# Altium PCB SolderingStation_ASCII.PcbDoc (part 2 of 3)
Units mm, origin at the board's own origin, x right, y up, seen from the top; angles counter-clockwise.
Board outline 138.15 x 60.81 mm, 2 copper layers (Top Layer, Bottom Layer), stack 1.671 mm thick; 227 components, 141 nets, 684 pads, 483 vias.
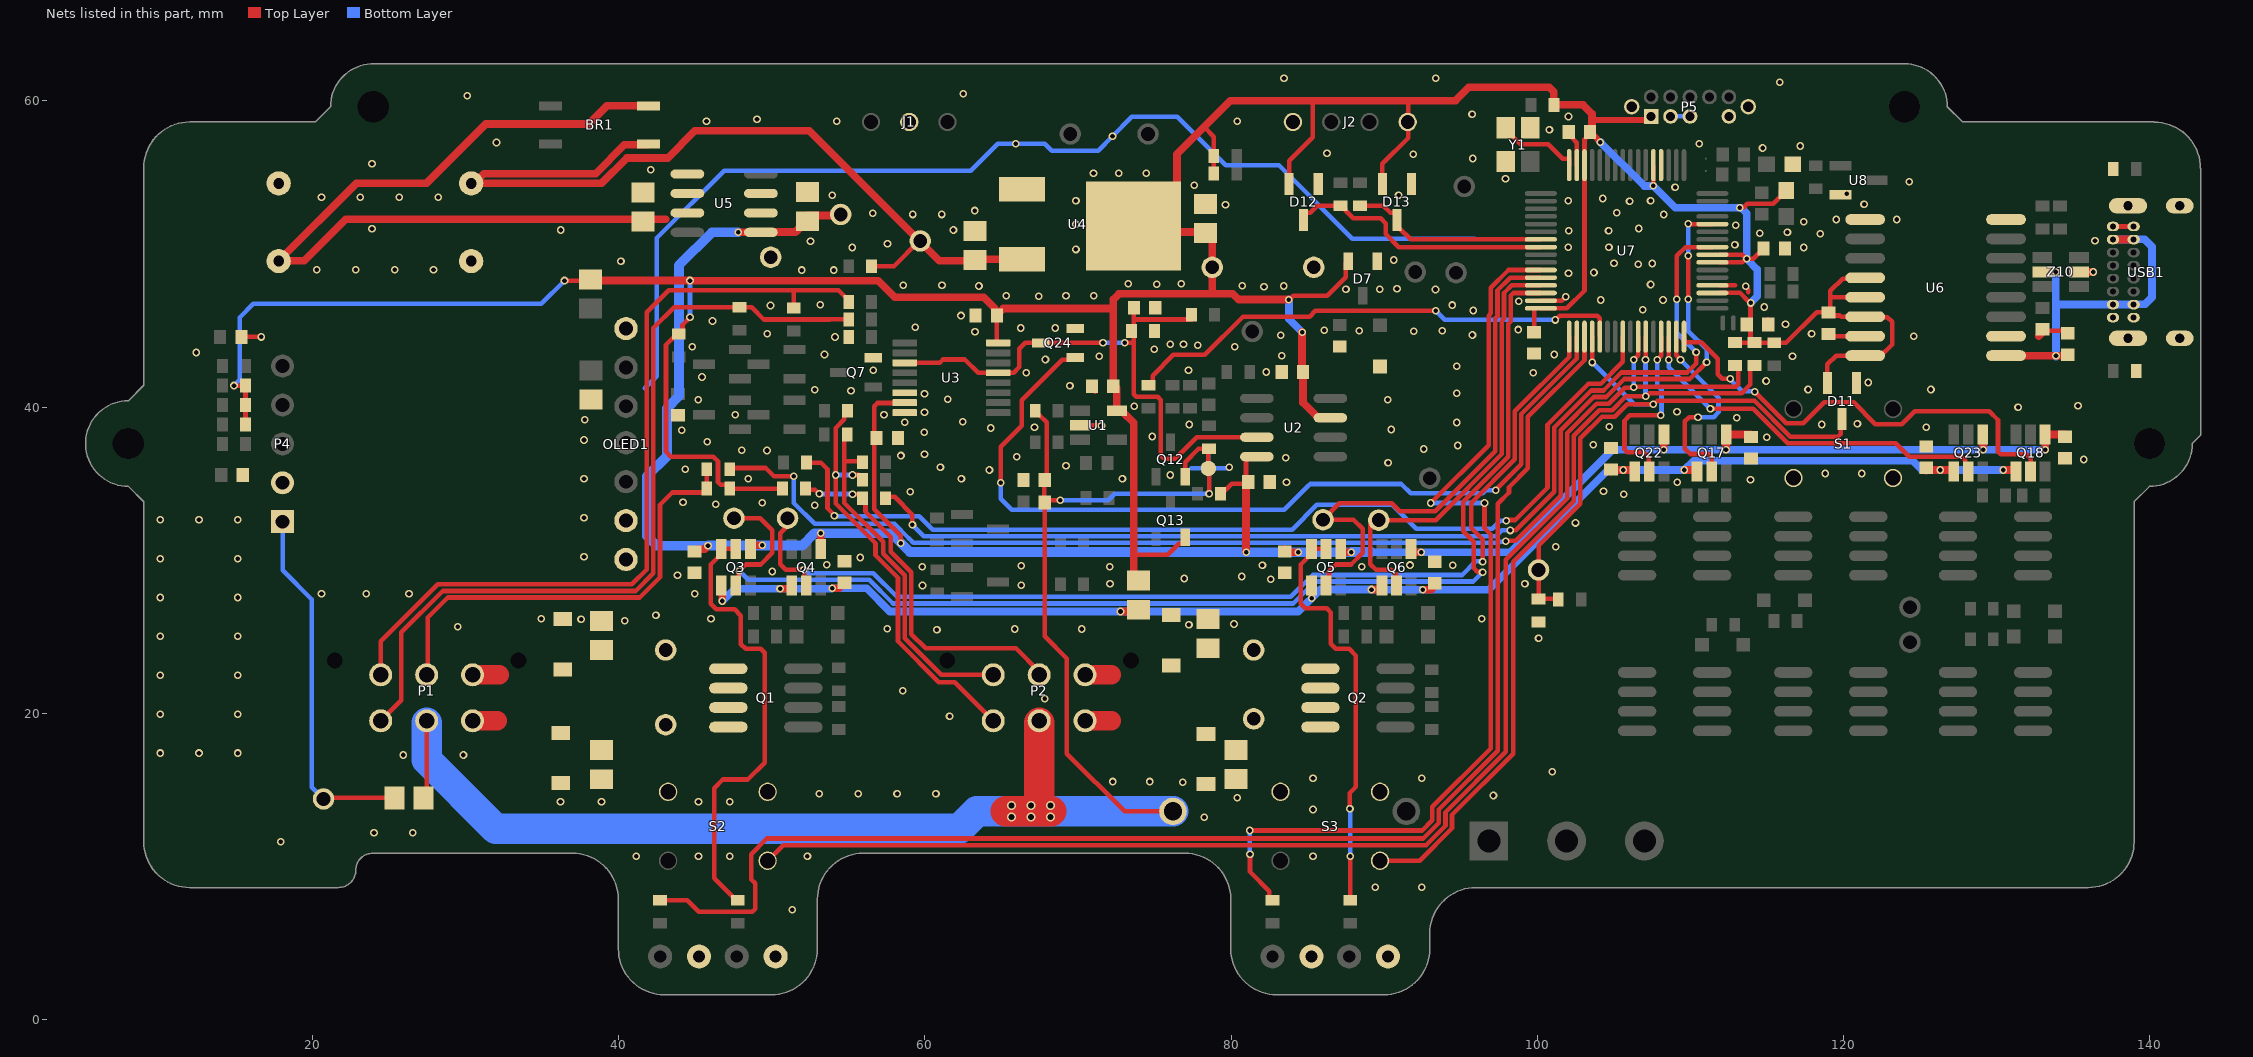
[diagram p2: the nets of this part, all layers, seen from the top]

## Part data
+3V3 +V -5V -V AC_REF AMP D1a D1b D2a D2b ER Gnd H1a H1b H2a H2b OC SCL SDA T1 T2 T3 Vp1 Vp2: library part TP, "Test Point"
BR1: "Bridge Rectifier Diode, Single Phase, 100 V, 800 mA, SOIC, 1.1 V, 4 Pins"
BR2: library part SolderBridge(Open), "Solder bridge"
C1 C2 C7 C8 C9 C11 C12 C13 C14 C15 C17 C18 C19 C20 C24 C28 C29 C30 C31 C32 C33 C37 C38 C39 C41: library part Cap_CCNP_0603_100nF, "Capacitor non-polar SMT 0603"
C3 C4 C5 C6: library part Cap_CC_0805, "Capacitor SMT 0805"
C10 C16 C42 C43: library part Cap_CCNP_0603_100pF, "Capacitor non-polar SMT 0603"
C21 C26: library part Cap_CCNP_0805_2u2F, "Capacitor non-polar SMT 0805"
C22 C25: library part Cap-RB5/10x16MM
C23 C27 C40: library part Cap_CCNP_0805_10uF, "Capacitor non-polar SMT 0805"
C34: library part Cap_CCNP_0603_2u2F, "Capacitor non-polar SMT 0603"
C35 C36: library part Cap_CCNP_0603_1nF, "Capacitor non-polar SMT 0603"
D1 D2 D3 D4: "Diodes - General Purpose, 1kV 1A 1.1V 1A SOD-123FL"
D5 D6: library part LED_3MM_GREEN, "3mm Green LED"
D7: "Diode - Dual Series low-leakage switching, SOT-23"
D10: "Switching Diode 100V 150mA 1.25V@150mA 4ns SOD-323"
D11 D12 D13: "Dual Series low-leakage switching diodes, 3-Pin SOT-23"
D14 D15: library part LED_3MM_RED, "3mm Red LED"
J1: library part JST-B3B-XH-A
J2: library part JST-B4B-XH-A
L1 L2 L3: library part "Ferrite Bead 0805 600R", "Ferrite Bead 600O @ 100MHz 1 500mA 300mO 0805"
L4 L5: library part "Ferrite Bead 0603 600R", "Ferrite Bead 600O @ 100MHz 1 200mA 450mO 0603"
OLED1: library part OLED_Display_128x64_2.4inch, "OLED Display 128x64 pixels, 2.4inch"
P1 P2: "Wire-To-Board Connector, With Polarizing Peg, 3 mm, 6 Contacts, Header, Micro-Fit 3.0 43045 Series"
P3: "MULTICOMP MC24367 Wire-To-Board Terminal Block"
P4: library part "Header 1x5"
P5: library part SWD2X5_JIG
Q1 Q2: "P-Channel dual MOSFET, 40 V, 7.6 A, 0.018 ohm, SOIC, Surface Mount"
Q3 Q4 Q5 Q6 Q17 Q18 Q22 Q23: "Pre-Biased NPN and PNP pair, 50 V, 100 mA, 22 kohm, 22 kohm"
Q7: "General Purpose Transistor, NPN Silicon, 3-Pin SOT-23, Pb-Free, Tape and Reel"
Q8 Q9 Q10 Q11: "P-Channel Enhancement Mode FET -0.13 A, -50 V,  RDS(ON) = 10R at VGS = -5 V"
Q12 Q24: "N-channel enhancement mode FET, , 30 V, 850 mA, 0.4 ohm, SOT23"
Q13: "General Purpose Transistor, PNP Silicon, 3-Pin SOT-23, Pb-Free, Tape and Reel"
Q14 Q15 Q16 Q19 Q20 Q21: "P-Channel Power MOSFET, 11 A, 40 V, RDS(ON) = 0.013 ohm @ VGS = -10   VRDS(ON) = 0.017 ohm @ VGS =   -4.5 VC"
Qa Qb: library part MMBT3904LT1G, "SOT23"
R1 R2 R3 R4 R5 R6 R7 R8 R42 R43 R46 R47 R69 R70: library part Res_CR0603_4k7, "Resistor SMT 0603"
R9 R10 R59 R62: library part Res_CR0603_470R, "Resistor SMT 0603"
R11 R12 R13 R14 R15 R16 R18 R20 R26 R28 R35 R50 R54 R57 R63 R64 R65 R71: library part Res_CR0603_10k, "Resistor SMT 0603"
R17 R21 R30 R31 R32 R33 R39: library part Res_CR0603_22k, "Resistor SMT 0603"
R19: "Current Sense Resistor, 0.05 ohm, OAR Series, 3 W, Metal Strip, Radial Leaded, 1%"
R23 R29: library part Res_CR0603_0R, "Resistor SMT 0603"
R24: library part Res_CR0603_10R, "Resistor SMT 0603"
R27 R34 R36 R37 R38: library part Res_CR0603_3k3, "Resistor SMT 0603"
R40 R41 R44 R45: library part Res_CR0603_39k, "Resistor SMT 0603"
R48: library part Res_CR0603_15k, "Resistor SMT 0603"
R49: library part Res_CR0603_4k3, "Resistor SMT 0603"
R51 R53 R60 R61 R66 R67: library part Res_CR0603_33R, "Resistor SMT 0603"
R52 R56 R68: library part Res_CR0603_1k, "Resistor SMT 0603"
R55 R58: library part Res_CR0603_5k1, "Resistor SMT 0603"
R72: library part Res_CR0603_1M, "Resistor SMT 0603"
Ra Rb Rc Rd: library part Res_CR0603, "Resistor SMT 0603"
S1 S2 S3: "Switch miniature push-button"
SC1 SC2 SC3: library part "Switch-Cap - B32-2010", "Switch Cap"
SP1 SP2 SP3 SP4: library part Spacer-6mm
U1: "Op-Amp, Single supply R-R in/out"
U2: "Op-Amp 14MHz, MUX-friendly, low-noise, Zero-Drift, RRO, CMOS precision"
U3: "Analog Multiplexer / Demultiplexer, 4:1, 2 Circuits, 225 ohm, 2V to 10V, TSSOP-16"
U4: "IC REG LINEAR +3V3 1A TO252-3"
U5: "IC REG LINEAR -5V 100MA SOIC-8"
U6: "Full/Low Speed 5 kV USB Digital Isolator"
U7: "Arm Cortex M4 / Applies to MK20DX64VLH7, MK20DX128VLH7, MK20DX256VLH7"
U8: library part LM4040BIM3-2.5/NOPB, "IC 2.5V VREF SHUNT 0.2% SOT23-3"
USB1: "USB-C, USB 2.0 Receptacle Connector 16 Position Through Hole, Right Angle"
Y1: library part "Crystal 16MHz", "Crystal SMD 3.2 x 2.5 x 0.7 mm"
Z1 Z2 Z3 Z4 Z6 Z7 Z8 Z9: "Surface Mount Zener Diode, 12-13 V, -65 to 150 degC, SOD-123"
Z10: "Ultra low capacitance quadruple rail-to-rail ESD protection"

## Free pads (board coordinates)
  oval 0.3x1 smd: Com(112.116,45.491) Com(112.801,45.491)

## Via types
v1: diameter 0.5, hole 0.3, Top Layer to Bottom Layer, tented both sides, 440 vias
v2: diameter 0.6, hole 0.4, Top Layer to Bottom Layer, tented both sides, 30 vias
v3: diameter 0.8, hole 0.5, Top Layer to Bottom Layer, tented both sides, 12 vias
v4: diameter 0.75, hole 0.3, Top Layer to Bottom Layer, tented both sides, 1 vias

## Nets (pads, with @x,y where several pads share a name; then routed paths per layer and width w, separated by ;. In a path a pad name is that pad's centre, name@x,y a point inside that pad or via, vN(x,y) a via of type N, cw(c..) or ccw(c..) an arc to the next point about the centre after c; other vN are vias at no path point)
5V_USB: C30.2 U6.1 USB1.A4 USB1.A9 USB1.B4 USB1.B9 Z10.5 | length 24.4
  Top Layer w0.3: Z10.5@132.974,48.822 v1(133.863,48.822)
  Top Layer w0.508: U6.1@130.508,43.361 130.525,43.344 C30.2@134.499,43.344 ; C30.2@134.464,43.308 C30.2@134.499,43.344 ; C30.2@134.517,43.361 C30.2@134.499,43.344 ; C30.2@134.525,43.344 C30.2@134.499,43.344 ; USB1.A9@137.596,50.942 USB1.B4@138.945,50.942
  Bottom Layer w0.508: v1(133.863,48.822) 133.863,46.517 ; v1@133.87,43.308 133.87,46.51 133.863,46.517 ; USB1.A9@137.596,50.942 USB1.B4@138.945,50.942 ; USB1.B9@138.945,46.692 USB1.A4@137.596,46.692 134.038,46.692 133.863,46.517 ; USB1.B9@138.967,46.714 139.685,46.714 140.143,47.171 140.143,50.473 139.652,50.964 USB1.B4@138.967,50.964
  other v1: 133.87,43.343
+3V3: +3V3.1 C11.1 C12.1 C18.1 C23.2 C32.2 C33.2 C34.2 C38.2 C41.2 D7.2 D11.2 D12.2 D13.2 J2.1 L1.1 L3.1 L4.2 P5.1 Q13.2 R11.2 R12.2 R24.1 R50.2 R54.2 R57.2 R63.2 R64.2 R65.2 R69.2 R70.2 R71.2 U1.5 U2.7 U3.16 U4.4 U6.12 U6.13 U6.14 U6.16 U7.3 U7.7 U7.8 U7.21 U7.30 U7.48 | length 278.9
  Top Layer w0.3: v1(14.871,41.403) R65.2@15.621,41.403 R64.2@15.621,40.133 R63.2@15.621,38.863 ; v1(36.461,48.261) L3.1@37.77,48.261 ; v1@44.642,45.861 44.642,45.837 44.163,45.358 44.163,44.968 43.963,44.768 R24.1@43.917,44.768 43.717,44.568 43.598,44.568 43.089,44.059 43.089,37.072 43.407,36.754 46.177,36.754 46.482,36.449 46.482,35.099 46.658,34.923 47.044,34.923 47.244,34.723 R11.2@47.244,34.672 R12.2@50.697,34.672 ; U3.16@64.684,44.186 C18.1@64.684,45.907 ; 73.621,33.02 73.635,33.02 ; 73.635,30.378 73.66,30.353 75.862,30.353 76.573,31.064 76.848,31.064 76.998,31.214 Q13.2@76.998,31.489 ; 73.635,31.75 73.721,31.664 ; 78.232,58.293 78.865,57.66 R70.2@78.865,56.389 R69.2@78.865,55.246 ; v1(83.769,47.015) 83.791,47.015 84.045,47.269 86.284,47.269 87.495,48.481 87.495,49.448 D7.2@87.655,49.608 ; D12.2@83.783,54.569 83.783,56.085 85.33,57.632 85.33,59.998 ; D13.2@89.879,54.519 D13.2@89.879,54.569 89.879,55.883 91.579,57.583 91.579,59.998 ; 92.781,59.981 92.798,59.998 ; C38.2@99.771,45.041 99.803,45.073 U7.48@99.803,46.449 ; U7.48@100.227,46.449 101.927,46.449 103.077,47.599 U7.30@103.077,55.799 103.077,57.482 103.193,57.598 103.193,57.708 C41.2@103.443,57.958 ; v1(107.577,54.445) U7.21@107.577,55.799 ; U7.7@111.866,49.452 113.389,49.452 113.619,49.682 v1@113.659,49.682 ; U7.8@111.866,49.952 113.389,49.952 v1@113.659,49.682 ; U7.3@111.916,47.452 113.23,47.452 113.783,46.899 113.883,46.8 v1(113.937,46.8) 113.919,46.782 113.919,45.633 C33.2@113.676,45.39 113.919,45.147 R57.2@113.919,44.209 ; R54.2@113.208,44.209 R57.2@113.919,44.209 ; v1(113.208,53.01) 113.246,53.048 113.5,53.048 113.718,53.266 115.394,53.266 115.867,53.739 115.906,53.739 L4.2@115.906,54.122 ; C34.2@114.767,50.346 114.767,50.296 114.517,50.046 114.467,50.046 114.103,49.682 v1(113.665,49.682) v1@113.659,49.682 ; R50.2@115.468,44.205 116.239,44.205 118.236,46.202 118.895,46.202 C32.2@119.011,46.317 ; R50.2@115.573,44.209 R57.2@114.172,44.209 R57.2@113.919,44.209 ; D11.2@118.938,41.561 118.938,42.786 119.513,43.361 U6.16@121.408,43.361 122.439,43.361 123.165,44.087 123.165,45.569 122.861,45.873 121.436,45.873 U6.14@121.408,45.901 119.834,45.901 119.757,45.978 119.35,45.978 C32.2@119.011,46.317 ; U6.12@120.808,48.441 120.75,48.384 119.936,48.384 119.138,47.586 119.138,47.245 ; U6.13@121.408,47.171 119.212,47.171 119.138,47.245 ; C32.2@119.011,46.317 119.138,46.444 119.138,47.245
  Top Layer w0.4: C41.2@103.564,57.937 103.564,57.787 103.643,57.708 103.714,57.708 104.115,57.307 v1(104.115,57.302) ; 103.683,58.75 107.195,58.75 P5.1@107.427,58.982
  Top Layer w0.5: L3.1@37.77,48.346 37.856,48.26 v1(44.653,48.26) 44.661,48.252 56.955,48.252 58.039,47.168 63.83,47.168 64.558,46.44 64.558,46.174 64.578,46.154 C18.1@64.844,46.154 ; C18.1@64.666,45.975 C18.1@64.844,46.154 ; 72.288,46.431 65.121,46.431 C18.1@64.844,46.154 ; 72.298,45.995 72.298,41.506 72.535,41.269 U1.5@72.535,39.763 72.635,39.663 72.935,39.663 73.635,38.963 73.635,33.02 73.635,31.75 73.635,30.378 L1.1@73.635,28.651 ; 77.851,57.912 78.232,58.293 79.937,59.998 85.33,59.998 91.579,59.998 92.798,59.998 94.649,59.998 95.529,60.879 100.777,60.879 101.069,60.586 101.069,59.747 R71.2@101.08,59.736 102.976,59.736 103.564,59.149 C41.2@103.564,57.937
  Top Layer w0.508: 72.298,45.995 72.298,46.431 72.298,47.015 72.679,47.396 78.765,47.396 ; U4.4@73.629,51.817 73.808,51.817 76.454,54.463 76.454,56.515 77.851,57.912 ; U4.4@74.01,51.436 78.183,51.436 78.244,51.375 78.368,51.375 78.765,50.978 +3V3.1@78.765,49.124 78.765,47.396 ; v1(83.769,47.015) 80.489,47.015 80.108,47.396 78.765,47.396 ; v1(84.633,44.894) 84.633,42.16 84.698,42.095 84.698,40.279 85.65,39.327 86.45,39.327 U2.7@86.48,39.297
  Bottom Layer w0.3: v1(14.871,41.403) 15.252,41.784 15.252,45.848 16.141,46.737 34.937,46.737 v1(36.461,48.261) ; v1(44.653,45.872) v1(44.653,48.26)
  Bottom Layer w0.5: v1(113.208,53.01) 113.31,53.01 113.665,52.655 v1(113.665,49.682) 114.368,48.979 114.368,47.231 v1(113.937,46.8)
  Bottom Layer w0.508: v1(83.769,47.015) 83.769,45.757 v1(84.633,44.894) ; v1(104.115,57.302) 106.972,54.445 v1(107.577,54.445) 109.012,53.01 v1(113.208,53.01)
+3V3_I: C1.1 C2.1 C20.1 C28.1 L1.2 Q3.3 Q4.3 Q5.3 Q6.3 Q17.3 Q18.3 Q22.3 Q23.3 | length 100.4
  Top Layer w0.4: C1.1@54.387,28.162 C1.1@54.661,28.436 ; Q5.3@85.25,28.34 85.253,28.337 v1(85.253,27.52)
  Top Layer w0.5: v1@46.761,27.33 v1(46.763,27.332) Q3.3@46.763,28.34 ; v1(50.538,28.13) 50.547,28.138 51.225,28.138 Q4.3@51.225,28.213 ; v1(53.942,28.155) 53.949,28.162 C1.1@54.387,28.162 ; v1(72.771,26.645) L1.2@73.708,26.645 ; v1(89.164,28.079) 89.775,28.079 89.85,28.154 Q6.3@89.85,28.34 ; v1(92.507,28.067) 93.05,28.067 93.28,28.297 C2.1@93.28,28.37 ; C20.1@104.8,35.777 104.914,35.89 v1(105.613,35.89) 106.278,35.89 Q22.3@106.365,35.803 ; v1(109.601,35.89) 110.342,35.89 Q17.3@110.429,35.803 ; C28.1@125.4,35.853 125.437,35.89 v1(126.314,35.89) 127.106,35.89 Q23.3@127.193,35.803 ; v1(130.429,35.89) 131.17,35.89 Q18.3@131.257,35.803
  Bottom Layer w0.5: v1(46.763,27.332) 47.574,28.143 50.524,28.143 v1(50.538,28.13) 53.916,28.13 v1(53.942,28.155) 56.186,28.155 57.696,26.645 v1(72.771,26.645) 84.377,26.645 85.811,28.079 v1(89.164,28.079) 89.176,28.067 v1(92.507,28.067) 96.809,28.067 104.632,35.89 v1(105.613,35.89) v1(109.601,35.89) 110.211,36.5 124.504,36.5 125.113,35.89 v1(126.314,35.89) v1(130.429,35.89)
+9V: +V.1 BR1.1 C21.2 C22.1 R18.1 U4.3 | length 57.2
  Top Layer w0.3: R18.1@56.63,49.2 57.98,49.2 59.631,50.851 +V.1@59.69,50.851
  Top Layer w0.5: C22.1@30.365,54.611 C22.1@30.56,54.611 ; BR1.1@41.947,57.171 41.902,57.127 40.373,57.127 38.493,55.246 31.195,55.246 C22.1@30.56,54.611 ; U4.3@66.349,49.659 63.32,49.659 C21.2@63.258,49.597 63.258,49.555 60.926,49.555 59.631,50.851 52.441,58.04 44.97,58.04 43.192,56.262 40.525,56.262 38.874,54.611 C22.1@30.56,54.611
-5V: -5V.1 C7.1 C8.1 C13.1 C19.1 C24.1 C27.2 C29.1 Q3.6 Q4.6 Q5.6 Q6.6 Q17.6 Q18.6 Q22.6 Q23.6 R39.1 U2.4 U3.7 U5.1 | length 157.9
  Top Layer w0.3: U3.7@58.379,40.262 56.899,40.262 56.693,40.056 56.693,37.974 56.693,33.325 58.42,31.598 v1(58.42,31.115) ; U3.7@58.76,40.262 U3.7@58.784,40.286 ; R39.1@79.287,34.138 79.461,34.312 79.461,34.412 80.045,34.996 80.859,34.996 80.969,35.106 U2.4@80.969,36.74 ; C8.1@83.679,30.39 C8.1@83.802,30.514
  Top Layer w0.5: C7.1@45.15,30.531 45.15,30.72 45.603,30.72 v1(45.832,30.949) ; Q3.6@48.663,30.74 48.663,30.888 48.738,30.963 v1(49.378,30.963) ; v1(53.198,31.762) 53.2,31.76 Q4.6@53.2,30.74 ; C8.1@83.5,30.72 83.703,30.517 v1(84.389,30.517) ; Q5.6@87.15,30.74 87.15,30.592 87.225,30.517 v1(87.843,30.517) ; Q6.6@91.825,30.505 v1(92.405,30.505) ; v1(108.255,37.211) 108.255,38.193 Q22.6@108.265,38.203 ; v1(112.319,37.211) 112.319,38.193 Q17.6@112.329,38.203 113.929,38.203 C24.1@113.944,38.188 ; Q23.6@129.093,38.203 129.108,38.188 v1(129.108,37.211) ; v1(133.172,37.211) 133.172,38.188 Q18.6@133.157,38.203 133.162,38.208 134.462,38.208 C29.1@134.468,38.213
  Top Layer w0.508: v1(47.814,51.411) U5.1@49.287,51.411 49.305,51.429 51.542,51.429 51.84,51.726 51.84,51.741 52.236,52.137 C27.2@52.336,52.137 ; C27.2@52.336,52.518 -5V.1@54.622,52.518 ; C13.1@80.969,35.106 80.969,30.532 v1(80.975,30.526)
  Bottom Layer w0.5: 89.154,30.526 98.222,30.526 104.907,37.211 v1(108.255,37.211) v1(112.319,37.211) v1(129.108,37.211) v1(133.172,37.211)
  Bottom Layer w0.635: v1(47.814,51.411) 46.087,51.411 43.942,49.266 43.942,40.716 43.147,39.921 43.147,36.787 41.843,35.483 41.843,31.576 42.47,30.949 v1(45.832,30.949) 45.845,30.963 51.994,30.963 52.793,31.762 57.773,31.762 59.009,30.526 v1(80.975,30.526) 80.984,30.517 v1(84.389,30.517) v1(87.843,30.517) 87.852,30.526 89.154,30.526
-9V: -V.1 BR1.2 C25.2 C26.2 U5.2 U5.3 U5.6 U5.7 | length 54.8
  Top Layer w0.5: C25.2@17.792,49.531 C25.2@17.807,49.547 ; BR1.2@41.947,59.671 39.235,59.671 38.048,58.485 31.317,58.485 27.444,54.611 22.872,54.611 C25.2@17.807,49.547 ; 43.078,52.273 22.184,52.273 19.458,49.547 C25.2@17.807,49.547
AC_REF: AC_REF.1 D11.3 R48.2 R49.2 U7.52 | length 39.9
  Top Layer w0.3: R48.2@101.497,27.466 R49.2@100.076,27.466 AC_REF.1@100.076,29.358 100.076,30.95 102.798,33.672 102.798,37.954 104.218,39.373 105.063,39.373 105.867,40.178 107.611,40.178 107.845,40.411 114.179,40.411 116.52,38.07 119.634,38.07 119.801,38.237 119.801,38.844 119.801,39.124 D11.3@119.888,39.211 ; U7.52@103.577,44.599 103.577,42.925 v1(103.59,42.913)
  Bottom Layer w0.3: v1(103.59,42.913) 106.324,40.178 v1(107.569,40.178)
BIAS_En: R20.2 U7.56 | length 66.5
  Top Layer w0.3: R20.2@52.261,36.373 53.213,36.373 53.637,35.949 53.637,33.4 v1@54.088,32.949 ; v1(97.968,32.583) 98.006,32.622 98.565,32.622 100.663,34.72 100.663,38.838 103.334,41.508 104.138,41.508 105.577,42.947 U7.56@105.577,44.599
  Bottom Layer w0.3: v1@54.101,32.907 54.133,32.875 59.627,32.875 60.509,31.993 83.977,31.993 85.6,33.616 90.514,33.616 92.08,32.05 97.053,32.05 97.582,32.579 97.963,32.579 v1(97.968,32.583)
  other v1: 54.088,32.894
CH1_ACT: Q5.4 Q5.5 R10.2 | length 27.3
  Top Layer w0.3: Q5.5@86.122,30.599 Q5.5@86.263,30.74 ; Q5.5@86.122,30.74 85.313,30.74 85.138,30.565 85.138,30.306 84.549,29.718 84.549,27.153 84.848,26.854 86.23,26.854 86.504,26.58 86.504,24.537 86.835,24.206 87.704,24.206 88.15,23.761 88.15,15.188 87.757,14.795 v1(87.757,13.767) ; v1(87.769,10.669) 87.781,10.657 R10.2@87.781,7.789
  Bottom Layer w0.3: v1(87.757,13.767) 87.769,13.755 v1(87.769,10.669)
CH1_BTN: R57.1 S3.2 U7.59 | length 52.4
  Top Layer w0.3: S3.2@89.726,10.367 92.308,10.367 94.423,12.482 94.423,13.363 98.425,17.365 98.425,29.902 102.371,33.848 102.371,38.13 104.041,39.8 104.886,39.8 105.79,40.705 v1(107.08,40.705) 107.134,40.705 107.323,40.894 113.335,40.894 113.915,41.474 R57.1@113.915,42.545 ; v1(107.061,43.099) 107.077,43.115 U7.59@107.077,44.599
  Bottom Layer w0.3: v1(107.061,43.099) 107.061,40.724 v1(107.08,40.705)
CH1_ID: P2.5 R12.1 R15.1 | length 23.8
  Top Layer w0.3: R12.1@52.197,34.672 52.275,34.594 52.821,34.594 53.088,34.327 v1(53.11,34.327) ; v1(55.27,34.315) 55.704,34.315 56.117,33.902 56.117,33.164 57.766,31.515 57.766,30.538 59.106,29.199 59.106,25.171 60.041,24.236 65.947,24.236 67.461,22.722 P2.5@67.461,22.509
  Bottom Layer w0.3: v1(53.11,34.327) 53.116,34.321 55.264,34.321 v1(55.27,34.315)
CH1_ID1: R15.2 U7.9 | length 71.7
  Top Layer w0.3: R15.2@57.404,34.037 57.508,34.142 58.017,34.142 59.182,32.976 v1(59.182,32.304) ; v1(98.226,31.94) 98.249,31.964 98.593,31.964 101.09,34.461 101.09,38.661 103.51,41.081 104.315,41.081 105.49,42.256 109.774,42.256 110.363,42.845 v1(110.363,43.586) ; v1@109.093,47.058 109.093,49.869 109.673,50.449 U7.9@111.427,50.449
  Bottom Layer w0.3: v1(59.182,32.304) 59.92,31.566 97.306,31.566 97.68,31.94 v1(98.226,31.94) ; v1(109.093,47.036) 109.093,44.856 v1(110.363,43.586)
CH1_SB: D13.3 R52.1 U7.39 | length 13.2
  Top Layer w0.3: R52.1@88.316,53.152 R52.1@88.416,53.152 89.946,53.152 90.404,52.694 90.679,52.694 90.829,52.544 D13.3@90.829,52.269 ; D13.3@90.829,52.219 90.829,51.794 90.979,51.644 91.023,51.644 91.718,50.949 U7.39@100.227,50.949
CH1_SEL: R59.1 U7.43 | length 62.7
  Top Layer w0.3: v1(81.215,12.346) 92.475,12.346 93.142,13.013 93.142,13.894 96.945,17.697 96.945,31.675 96.545,32.075 v1(96.545,33.731) ; v1(81.229,10.795) 81.229,9.64 82.497,8.372 82.497,7.893 R59.1@82.601,7.789 ; v1(93.04,33.731) 96.82,37.511 96.82,45.969 96.966,46.115 96.966,47.804 98.111,48.949 U7.43@100.227,48.949
  Bottom Layer w0.3: v1(81.215,12.346) 81.215,10.809 v1(81.229,10.795) ; v1(93.04,33.731) v1(96.545,33.731)
CH1a_DRVn: D1a.1 Q5.2 U7.44 | length 35.2
  Top Layer w0.3: Q5.2@86.391,28.468 86.391,29.273 86.835,29.718 87.826,29.718 88.588,30.48 88.588,32.043 87.992,32.639 D1a.1@86.004,32.639 87.071,33.706 90.5,33.706 91.008,33.198 93.333,33.198 97.247,37.112 97.247,45.792 97.393,45.939 97.393,47.627 98.215,48.449 U7.44@100.227,48.449
CH1a_Htr+: C5.1 D3.K H1a.1 P2.4 Q2.5 Q2.6 | length 1.7
  Top Layer w1.27: P2.4@70.461,22.509 72.183,22.509
CH1a_Thm+: P2.6 R32.1 R37.2 | length 23
  Top Layer w0.3: 54.737,36.45 54.737,38.007 54.74,38.01 R32.1@54.74,38.282 ; R37.2@55.904,36.45 54.738,36.45 54.738,33.73 57.274,31.195 57.274,30.427 58.674,29.026 58.674,24.905 61.07,22.509 P2.6@64.461,22.509
CH1b_DRVn: D1b.1 Q6.2 U7.45 | length 28.5
  Top Layer w0.3: D1b.1@89.096,32.487 89.096,29.736 89.457,29.375 90.459,29.375 90.79,29.044 90.79,28.35 Q6.2@90.8,28.34 ; D1b.1@89.637,32.614 93.353,32.614 97.674,36.935 97.674,45.615 97.82,45.762 97.82,47.45 98.319,47.949 U7.45@100.227,47.949
CH1b_Htr+: C6.1 D4.K H1b.1 P2.1 Q2.7 Q2.8 | length 1.7
  Top Layer w1.27: P2.1@70.461,19.509 72.183,19.509
CH1b_Thm+: P2.3 R30.1 R38.2 | length 27.2
  Top Layer w0.3: R30.1@54.737,39.752 54.737,39.202 54.164,38.629 v1(54.164,35.56) 54.164,33.701 56.769,31.095 56.769,30.328 58.242,28.854 58.242,24.702 60.908,22.036 61.934,22.036 P2.3@64.461,19.509 ; v1(55.27,35.56) 55.704,35.56 55.904,35.36 R38.2@55.904,35.307
  Bottom Layer w0.3: v1(54.164,35.56) v1(55.27,35.56)
Ch1V12En: Q17.2 U7.63 | length 13.2
  Top Layer w0.3: U7.63@109.077,44.599 109.077,43.375 109.347,43.105 v1(109.347,43.099) ; v1(110.49,39.345) 109.906,39.345 109.626,39.065 109.626,37.287 109.982,36.932 111.176,36.932 111.379,36.728 Q17.2@111.379,35.803
  Bottom Layer w0.3: v1(109.347,43.099) 111.83,40.616 111.83,39.66 111.515,39.345 v1(110.49,39.345)
Ch1V24En: Q18.2 U7.64 | length 30.6
  Top Layer w0.3: U7.64@109.577,44.599 109.577,44.221 110.693,44.221 111.773,43.142 111.773,42.151 112.065,41.859 v1(112.605,41.859) ; v1(114.198,40.996) 116.256,38.938 117.373,38.938 118.745,40.31 120.65,40.31 122.072,38.887 123.81,38.887 124.644,39.721 129.519,39.721 130.086,39.154 130.086,37.082 130.262,36.906 131.933,36.906 132.212,36.627 132.212,35.808 Q18.2@132.207,35.803
  Bottom Layer w0.3: v1(112.605,41.859) 112.605,41.805 112.705,41.705 112.705,41.702 113.384,41.023 114.171,41.023 v1(114.198,40.996)
CH2_ACT: Q3.4 Q3.5 R9.2 | length 30.1
  Top Layer w0.3: Q3.5@47.572,30.599 Q3.5@47.713,30.74 ; Q3.5@47.572,30.74 46.763,30.74 46.588,30.565 46.588,30.306 45.999,29.718 45.999,27.153 46.371,26.781 47.568,26.781 47.973,26.377 47.973,24.519 48.285,24.206 49.276,24.206 49.542,23.941 49.542,16.776 48.438,15.672 46.787,15.672 46.228,15.113 46.228,9.237 47.676,7.789 R9.2@47.776,7.789
CH2_BTN: R54.1 S2.2 U7.58 | length 91.1
  Top Layer w0.3: S2.2@49.726,10.367 50.75,11.392 92.728,11.392 93.996,12.659 93.996,13.54 97.945,17.49 97.945,30.027 101.944,34.025 101.944,38.307 103.864,40.227 104.669,40.227 105.705,41.264 106.261,41.264 v1(106.299,41.302) ; v1@106.299,41.321 112.956,41.321 113.132,41.497 R54.1@113.132,42.545 ; v1(106.299,43.099) 106.301,43.099 106.577,43.375 U7.58@106.577,44.599
  Bottom Layer w0.3: v1(106.299,41.302) v1@106.299,43.077
CH2_ID: P1.5 R11.1 R13.1 | length 29.4
  Top Layer w0.3: P1.5@27.456,22.509 27.537,22.591 27.537,26.257 28.841,27.56 41.378,27.56 42.697,28.88 42.697,33.63 43.486,34.418 R11.1@45.744,34.418 ; R11.1@45.744,34.672 R13.1@45.744,35.942
CH2_ID2: R13.2 U7.12 | length 85.1
  Top Layer w0.3: R13.2@47.244,35.942 47.322,36.02 49.603,36.02 50.144,35.479 v1(51.435,35.479) ; v1(97.936,31.234) 97.974,31.272 98.587,31.272 101.517,34.202 101.517,38.484 103.687,40.654 104.492,40.654 105.666,41.829 109.952,41.829 v1(111.049,42.926) ; v1(109.855,47.036) v1(109.855,49.886) ; v1(109.855,51.976) 109.882,51.949 U7.12@111.427,51.949
  Bottom Layer w0.3: 51.435,35.225 51.435,33.731 52.799,32.367 58.008,32.367 58.959,31.417 58.962,31.417 59.24,31.139 97.483,31.139 97.54,31.196 97.898,31.196 v1(97.936,31.234) ; v1(109.855,47.036) 109.855,44.958 111.049,43.764 v1(111.049,42.926) ; v1(109.855,49.886) v1(109.855,51.976)
CH2_SB: D12.3 R56.1 U7.40 | length 17.6
  Top Layer w0.3: D12.3@84.733,52.269 84.733,52.544 84.883,52.694 85.158,52.694 85.616,53.152 R56.1@87.146,53.152 87.246,53.152 87.446,52.952 87.446,52.852 87.974,52.324 89.759,52.324 90.094,51.989 90.094,51.303 90.948,50.449 U7.40@100.227,50.449
CH2_SEL: R62.2 U7.51 | length 91.7
  Top Layer w0.3: R62.2@42.696,7.789 44.486,7.789 45.236,7.039 48.731,7.039 48.907,7.215 48.907,8.891 48.653,9.145 48.653,10.796 49.675,11.819 92.551,11.819 93.569,12.836 93.569,13.717 97.409,17.557 97.409,33.68 98.146,34.417 98.146,34.773 99.382,36.009 99.382,39.368 103.077,43.063 U7.51@103.077,44.599
CH2a_DRVn: D2a.1 Q3.2 U7.46 | length 80.4
  Top Layer w0.3: D2a.1@47.523,32.741 49.251,32.741 50.038,31.953 50.038,30.48 49.276,29.718 48.285,29.718 47.841,29.273 47.841,28.468 Q3.2@47.713,28.34 ; v1(96.418,29.205) 96.38,29.243 96.075,29.243 95.834,29.485 95.834,31.212 95.148,31.898 95.148,33.806 98.101,36.758 98.101,45.439 98.247,45.585 98.247,47.273 98.423,47.449 U7.46@100.227,47.449
  Bottom Layer w0.3: v1(47.879,29.312) 48.463,28.727 56.359,28.727 57.915,27.172 84.06,27.172 85.494,28.606 95.819,28.606 v1(96.418,29.205)
CH2a_Htr+: C3.1 D1.K H2a.1 P1.4 Q1.5 Q1.6 | length 1.7
  Top Layer w1.27: P1.4@30.471,22.514 32.193,22.514
CH2a_Thm+: P1.6 R31.1 R36.2 | length 53.8
  Top Layer w0.3: P1.6@24.456,22.509 24.456,24.699 28.171,28.414 40.86,28.414 41.834,29.388 41.834,46.203 43.258,47.626 51.525,47.626 ; R31.1@51.435,46.47 51.435,47.536 51.525,47.626 ; R36.2@54.91,46.722 54.91,47.069 54.353,47.626 51.525,47.626
CH2b_DRVn: D2b.1 Q4.2 U7.49 | length 69.3
  Top Layer w0.3: D2b.1@51.029,32.244 50.546,31.761 50.546,29.736 50.907,29.375 v1(52.094,29.375) ; D2b.1@51.029,32.498 D2b.1@51.029,32.741 ; Q4.2@52.121,28.34 v1@52.121,29.261 ; v1(96.418,29.891) 96.418,31.364 95.682,32.101 95.682,33.735 98.528,36.581 98.528,39.722 102.077,43.271 U7.49@102.077,44.599
  Bottom Layer w0.3: v1(52.094,29.375) 52.148,29.375 52.369,29.154 56.621,29.154 58.177,27.599 83.883,27.599 85.318,29.033 95.103,29.033 95.986,29.916 96.393,29.916 v1(96.418,29.891)
CH2b_Htr+: C4.1 D2.K H2b.1 P1.1 Q1.7 Q1.8 | length 1.7
  Top Layer w1.27: P1.1@30.344,19.514 32.066,19.514
CH2b_Thm+: P1.3 R33.1 R34.2 | length 54.1
  Top Layer w0.3: P1.3@24.456,19.509 25.799,20.853 25.799,25.281 28.506,27.987 41.119,27.987 42.266,29.134 42.266,45.163 43.623,46.521 48.678,46.521 49.479,45.72 53.772,45.72 53.773,45.721 R34.2@55.015,45.721
Ch2V12En: Q22.2 U7.61 | length 12.5
  Top Layer w0.3: Q22.2@107.315,35.803 107.265,35.853 107.265,36.727 106.934,37.059 105.865,37.059 105.689,37.234 105.689,39.116 106.045,39.472 v1(108.052,39.472) ; v1(107.823,43.099) 108.077,43.353 U7.61@108.077,44.599
  Bottom Layer w0.3: v1(107.823,43.099) 107.823,41.402 108.106,41.119 108.106,39.667 108.09,39.651 108.09,39.51 v1(108.052,39.472)
Ch2V24En: Q23.2 U7.62 | length 24.7
  Top Layer w0.3: U7.62@108.577,44.599 108.577,43.107 v1(108.585,43.099) ; v1(111.303,39.878) 114.108,39.878 115.397,38.589 116.343,37.643 123.393,37.643 124.285,36.751 127.719,36.751 127.943,36.527 127.943,36.003 Q23.2@128.143,35.803
  Bottom Layer w0.3: v1(108.585,43.099) 108.585,42.596 v1(111.303,39.878)
Clamp: Q24.1 U7.50 | length 57.6
  Top Layer w0.3: v1(64.948,35.052) 64.948,37.414 66.319,38.786 66.319,40.437 68.968,43.086 69.675,43.086 Q24.1@69.825,43.236 ; v1(97.282,34.569) 97.282,34.59 98.955,36.263 98.955,39.545 102.577,43.167 U7.50@102.577,44.599
  Bottom Layer w0.3: v1(64.948,35.052) 64.948,34 65.666,33.282 83.454,33.282 85.069,34.897 85.082,34.897 85.16,34.976 91.11,34.976 91.723,34.363 96.436,34.363 96.642,34.569 v1(97.282,34.569)
COM: C9.1 C14.1 L2.2 NT1.2 P1.2 P2.2 Q12.2 R14.2 R19.2 R26.1 | length 115.5
  Top Layer w0.3: L2.2@27.063,14.54 27.251,14.352 27.456,14.557 P1.2@27.456,19.382 ; R14.2@67.195,39.751 67.195,39.651 67.395,39.451 67.495,39.451 67.945,39.001 67.945,35.267 C14.1@67.982,35.23 ; C9.1@67.779,33.757 C14.1@67.779,35.23 ; v1(68.834,33.903) 68.128,33.903 67.818,33.592 67.818,25.032 69.273,23.577 69.273,17.354 73.038,13.589 R19.2@76.2,13.589 ; Q12.2@76.998,35.451 76.998,36.407 77.868,37.277 78.484,37.277 R26.1@78.591,37.384 ; NT1.2@78.511,35.992 R26.1@78.511,37.277 ; v1(78.556,34.336) NT1.2@78.556,35.984
  Top Layer w2: 65.278,13.589 68.258,13.589 ; 67.461,14.366 P2.2@67.461,19.382
  Bottom Layer w0.3: v1(68.834,33.903) 71.973,33.903 72.407,34.336 v1(78.556,34.336)
  Bottom Layer w2: P1.2@27.456,19.382 27.456,16.959 31.968,12.447 62.242,12.447 63.383,13.589 R19.2@76.2,13.589
  other v2: 65.659,13.233 66.929,13.233 68.199,13.233 65.659,13.97 66.929,13.97 68.199,13.97
EARTH: ER.1 L2.1 P4.1 | length 23.9
  Top Layer w0.3: ER.1@20.725,14.405 20.799,14.479 L2.1@25.351,14.479
  Bottom Layer w0.3: P4.1@18.046,32.513 18.046,29.338 19.951,27.433 19.951,15.179 ER.1@20.725,14.405
EXTAL: U7.32 Y1.3 | length 5.5
  Top Layer w0.3: Y1.3@97.931,58.238 97.931,58.138 98.899,57.171 100.705,57.171 101.653,56.223 102.077,56.223 U7.32@102.077,55.799
EXTAL32: U7.20
GAIN: R35.2 U7.53 | length 33.2
  Top Layer w0.3: R35.2@74.672,41.492 74.872,41.692 74.872,42.055 76.225,43.409 78.274,43.409 80.775,45.91 85.127,45.91 85.496,46.279 v1(93.37,46.279) ; v1(101.168,45.69) 101.448,45.969 103.901,45.969 104.077,45.793 U7.53@104.077,44.599
  Bottom Layer w0.3: v1(93.37,46.279) 93.959,45.69 v1(101.168,45.69)
GND: C1.2 C2.2 C3.2 C4.2 C5.2 C6.2 C7.2 C8.2 C11.2 C12.2 C13.2 C14.2 C17.1 C18.2 C19.2 C20.2 C21.1 C22.2 C23.1 C24.2 C25.1 C26.1 C27.1 C28.2 C29.2 C32.1 C33.1 C34.1 C35.1 C36.1 C38.1 C40.1 C41.1 C42.1 C43.1 D1.A D2.A D3.A D4.A D5.K D6.K D7.1 D10.A D11.1 D12.1 D13.1 D14.K D15.K Gnd.1 J1.2 J2.4 L5.1 NT1.1 OLED1.1 OLED1.2 OLED1.7 P4.2 P5.0 P5.3 P5.5 P5.9 Q7.2 Q24.2 R21.1 R49.1 R72.1 S1.1 S1.1b S2.1 S2.1b S3.1 S3.1b U1.2 U3.6 U3.8 U4.1 U5.5 U6.9 U6.15 U7.4 U7.31 U7.47 U8.2 Y1.2 Y1.4 | length 87.8
  Top Layer w0.3: C36.1@15.506,44.578 v1(16.649,44.578) ; C3.2@38.744,26.151 C3.2@38.874,26.021 ; U1.2@70.135,38.813 v1@71.526,38.813 ; C11.2@70.753,41.351 70.77,41.351 C11.2@71.12,41.001 ; U7.47@100.227,46.949 101.586,46.949 101.851,47.214 v1(101.854,47.214) ; C41.1@101.893,57.958 101.943,57.958 102.293,57.608 102.293,57.558 102.577,57.274 U7.31@102.577,55.799 ; U7.4@111.866,47.952 112.919,47.952 ; P5.9@112.51,58.98 P5.9@112.507,58.982 P5.9@112.531,58.982 ; v1(113.614,47.879) 113.614,47.825 113.784,47.655 113.784,47.502 ; P5.0@113.777,59.416 P5.0@113.777,59.617 ; C33.1@115.061,45.74 115.233,45.568 C33.1@115.349,45.568 ; C32.1@119.173,44.711 119.253,44.631 U6.15@121.408,44.631 U6.15@121.889,44.631
  Top Layer w0.6: P4.2@17.802,35.053 P4.2@18.046,35.053
  Bottom Layer w0.3: 41.694,41.237 42.478,42.022 42.478,51.042 46.88,55.443 62.987,55.443 64.748,57.204 v1(65.937,57.204) 67.825,57.204 68.285,56.744 71.308,56.744 v1(72.249,57.685) 73.518,58.953 76.472,58.953 79.646,55.78 83.122,55.78 87.904,50.998 95.917,50.998 ; 77.394,35.992 NT1.1@78.511,35.992 ; NT1.1@78.511,35.789 NT1.1@78.511,35.992 ; 78.511,36.855 NT1.1@78.511,35.992 ; v1@79.807,35.992 NT1.1@78.511,35.992 ; P5.3@108.697,58.982 P5.5@109.967,58.982 ; P5.9@112.507,58.982 P5.9@112.531,58.982
  other v1: 51.332,7.166 89.408,8.636 92.456,8.636 41.148,10.668 45.212,10.668 47.244,10.668 52.324,10.668 85.344,10.668 17.931,11.611 24.015,12.193 26.555,12.193 78.232,13.208 85.344,13.716 36.195,14.224 38.874,14.225 45.212,14.224 47.244,14.224 80.391,14.478 97.13,14.63 53.098,14.733 55.638,14.733 58.178,14.733 60.718,14.733 76.835,15.494 72.263,15.54 74.676,15.54 85.344,15.748 92.456,15.748 100.965,16.175 25.92,17.273 29.857,17.273 10.045,17.4 12.585,17.4 15.125,17.4 61.607,19.813 10.045,19.94 15.125,19.94 67.83,20.956 58.559,21.464 10.045,22.48 15.125,22.48 100.076,24.892 10.045,25.02 15.125,25.02 60.782,25.451 65.862,25.502 70.231,25.502 57.543,25.528 29.476,25.655 77.241,25.781 80.188,25.832 40.398,26.036 34.937,26.163 37.539,26.151 46.025,26.162 96.368,26.183 42.43,26.392 10.045,27.56 15.125,27.56 20.586,27.814 23.507,27.814 26.301,27.814 44.958,27.813 59.842,28.346 66.294,28.367 72.085,28.448 99.187,28.448 82.575,28.753 76.937,28.804 80.696,28.931 43.84,29.007 50.038,29.261 59.817,29.577 72.06,29.577 88.519,29.566 66.294,29.637 82.042,29.667 91.679,29.679 94.463,29.662 53.594,29.693 10.045,30.1 15.125,30.1 55.778,30.175 37.731,30.227 101.194,30.882 102.489,32.431 10.045,32.64 12.585,32.64 15.125,32.64 37.731,32.767 52.807,33.579 46.33,33.655 49.378,33.757 44.196,33.782 105.639,34.315 59.03,34.468 104.318,34.493 83.617,35.077 109.144,35.077 113.919,35.255 37.731,35.307 48.463,35.306 62.382,35.306 72.898,35.306 76.022,35.56 118.796,35.662 121.183,35.662 64.211,35.89 44.335,35.942 61.011,36.068 79.883,36.068 69.215,36.17 90.246,36.373 135.687,36.576 83.566,36.678 65.989,36.754 58.432,36.831 59.969,36.906 49.682,37.16 48.031,37.186 92.583,37.257 94.793,37.486 103.657,37.541 45.771,37.744 37.731,37.847 114.986,38.024 74.854,38.075 59.944,38.354 44.12,38.481 90.449,38.532 64.287,38.633 67.158,38.684 125.4,38.684 104.699,38.71 71.526,38.786 77.267,38.862 118.567,38.862 120.904,38.913 94.742,38.989 58.674,39.014 62.459,39.04 37.77,39.167 113.03,39.294 47.6,39.497 57.328,39.497 59.969,39.649 109.118,39.7 131.394,39.98 73.66,40.056 135.306,40.081 45.187,40.488 90.221,40.488 61.493,40.513 59.969,40.869 94.742,40.894 55.169,41.072 52.807,41.123 117.678,41.148 125.705,41.143 69.469,41.402 121.615,41.605 114.935,41.702 45.441,41.961 66.624,42.24 99.72,42.235 82.296,42.291 56.617,42.393 77.216,42.393 94.742,42.672 67.869,43.104 71.374,43.307 116.662,43.307 83.312,43.358 53.442,43.434 101.092,43.434 12.403,43.562 74.981,43.764 44.806,43.942 80.239,43.942 77.826,44.044 76.022,44.094 76.886,44.094 54.127,44.577 124.587,44.623 83.236,44.679 95.758,44.704 49.708,44.78 117.907,44.78 63.271,44.907 91.923,44.958 88.367,44.983 93.777,44.983 86.081,45.009 98.755,45.06 66.255,45.163 68.504,45.161 59.36,45.215 116.205,45.415 46.126,45.618 62.357,45.974 95.809,46.304 106.883,46.355 114.808,46.533 49.911,46.634 94.437,46.66 53.162,46.685 98.774,46.914 104.14,46.99 108.204,46.99 67.437,47.244 65.303,47.269 69.215,47.269 71.018,47.269 87.495,47.687 89.695,47.687 93.345,47.676 90.83,47.727 82.144,47.854 63.525,47.904 83.439,47.904 80.721,47.93 58.572,47.955 61.112,47.955 107.391,48.006 75.133,48.027 73.279,48.057 76.733,48.057 102.032,48.743 103.694,48.787 51.951,48.946 54.051,48.946 20.281,48.973 22.821,48.973 25.361,48.973 27.901,48.973 106.578,49.327 105.004,49.384 107.493,49.378 40.144,49.531 90.627,49.606 69.862,50.293 55.257,50.42 117.399,50.419 102.006,50.446 104.673,50.444 112.903,50.597 57.556,50.673 52.527,50.825 118.466,51.308 114.529,51.359 116.332,51.41 102.057,51.505 104.648,51.505 36.207,51.563 61.861,51.563 23.888,51.646 106.629,51.664 112.954,51.867 69.862,51.944 117.399,52.095 119.531,52.251 123.468,52.251 59.194,52.579 61.099,52.579 108.255,52.578 56.591,52.654 105.181,52.68 63.258,52.833 79.629,53.213 121.336,53.238 106.02,53.442 69.862,53.468 102.006,53.467 107.391,53.467 104.267,53.619 20.586,53.697 23.126,53.697 25.666,53.697 28.206,53.697 53.95,53.823 90.932,53.843 120.193,53.924 108.991,54.356 77.597,54.483 124.282,54.712 97.917,54.91 71.011,55.259 72.662,55.259 74.447,55.27 42.085,55.489 23.888,55.881 95.783,56.236 91.897,56.51 86.258,56.586 114.706,56.921 117.17,57.048 110.566,57.201 32.016,57.278 100.787,58.11 45.732,58.675 54.241,58.675 80.391,58.674 49.034,58.802 102.032,58.974 95.733,59.126 30.111,60.326 62.496,60.453 115.824,61.214 83.451,61.469 93.357,61.469
Gnd_USB: C30.1 C31.1 R55.2 R58.2 U6.2 U6.8 USB1.A1 USB1.A12 USB1.B1 USB1.B12 USB1.SH Z10.2 | length 4.7
  Top Layer w0.3: 132.7,44.631 C31.1@132.993,44.924 ; C31.1@132.993,44.877 133.089,44.973 C30.1@134.644,44.973 ; USB1.A12@137.596,51.792 USB1.B1@138.945,51.792
  Top Layer w0.508: 132.747,44.631 C31.1@132.993,44.877 ; Z10.2@135.374,48.822 v1(136.295,48.822)
  other v1: 136.422,50.854
LOW_G_IN: C42.2 Q24.3 R23.1 R72.2 U2.3 U3.3 U3.13 | length 38.7
  Top Layer w0.3: U3.3@58.684,42.886 60.958,42.886 61.176,43.104 62.611,43.104 63.478,42.236 U3.13@64.784,42.236 64.796,42.249 65.803,42.249 66.167,42.613 66.167,43.815 66.548,44.196 v1(71.628,44.196) ; v1(73.038,44.2) 73.631,44.2 73.635,44.196 ; C42.2@73.635,46.105 73.635,45.72 ; R23.1@77.282,46.03 77.482,46.23 R23.1@77.482,46.33 ; R23.1@77.47,45.72 73.635,45.72 ; U2.3@81.63,38.027 77.753,38.027 76.352,36.627 75.641,36.627 75.413,36.855 75.413,40.462 75.209,40.665 73.81,40.665 73.635,40.841 73.635,44.196 ; 73.635,44.196 73.635,45.72
  Bottom Layer w0.3: v1(71.628,44.196) v1@72.949,44.196